# Allegro board TubiiPCB_V6.brd (continued)
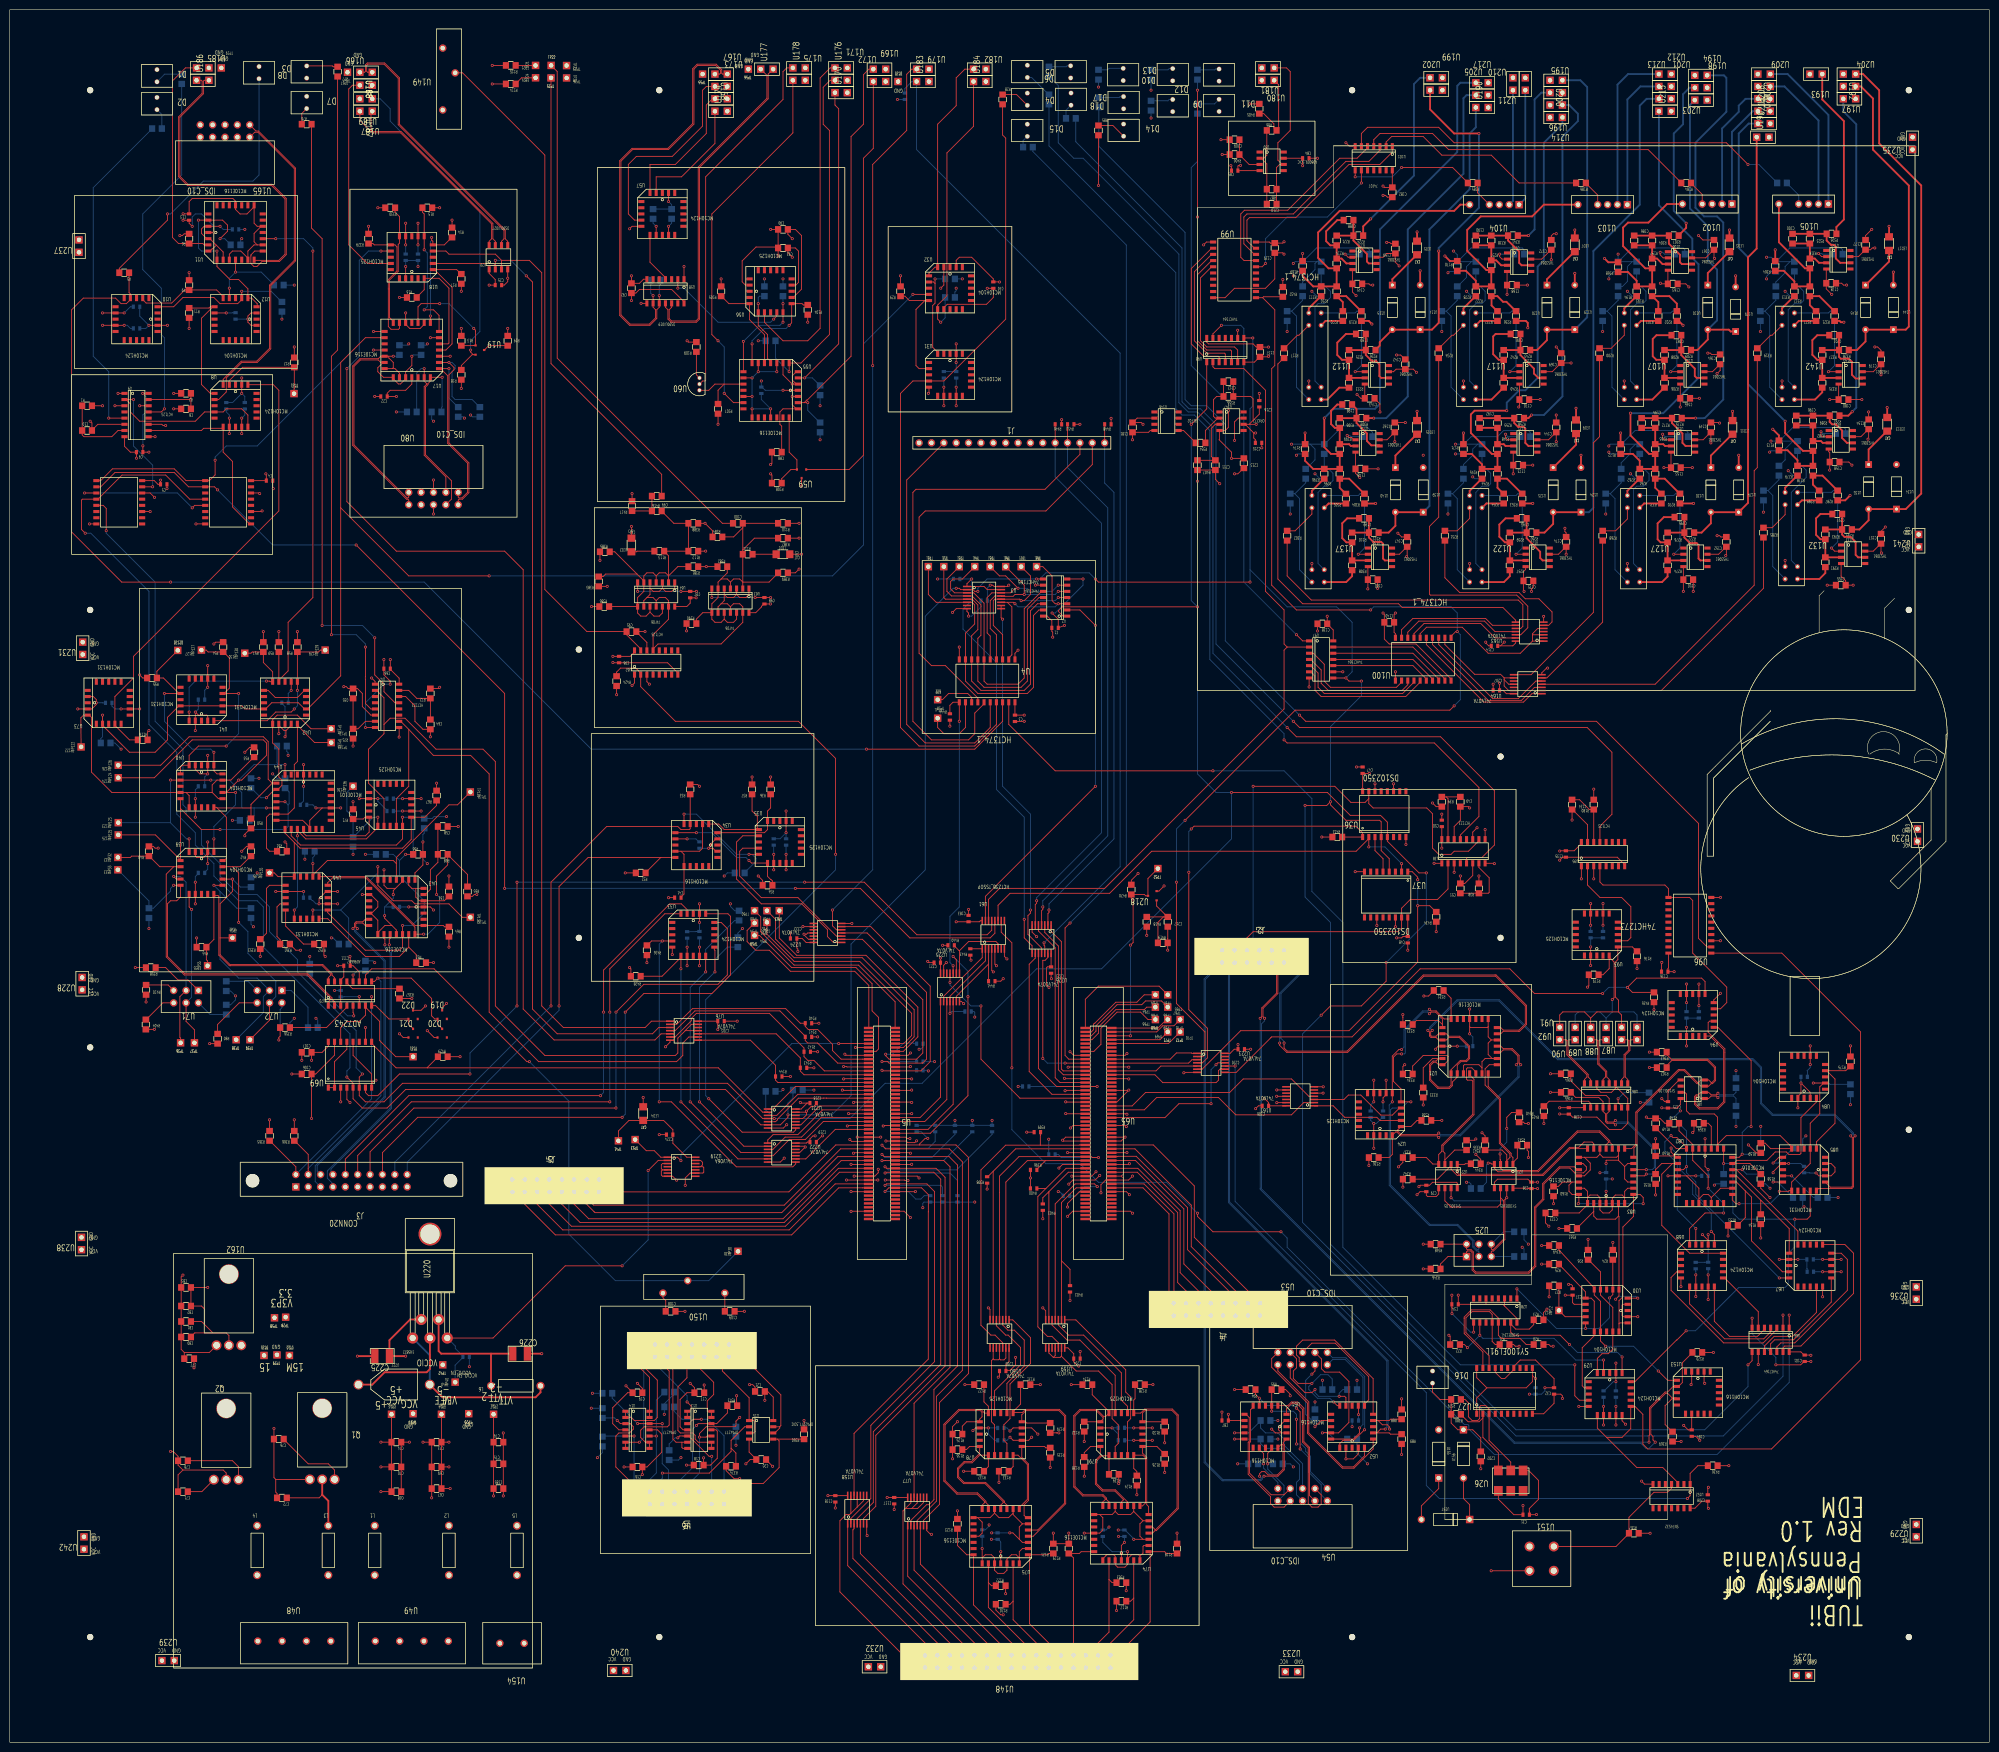
[diagram p0: board, top side]
## Routing (per net, layer and track width the routed paths; a pad name or vN(x,y) marks a point on that pad's centre or on a via; arc(x,y) is an arc through that point) (continued)
  TOP w0.178: U223.1 242.72,141.4 242.64,141.48 239.52,141.48 238.24,140.2 U65.17
CARRIER_SRST#: length 21.1
  TOP w0.178: TP65.1 236.47,152.15 233.17,152.15 232.41,151.38 227.33,151.38 223.01,147.07 223.01,145.96 222.05,145 U65.6
CHANGE_CLK2_N: length 49
  TOP w0.178: v1(293.37,124.14) 293.05,124.46 285.57,124.46 284.77,125.26 284.52,125.26 283.84,124.59 283.84,120.65 283.21,120.02 R336.2 ; U21.15 306.11,142.88 306.62,142.37 308.48,142.37 309.88,140.97 309.88,139.39 v1(310.2,139.06)
  BOTTOM w0.178: v1(293.37,124.14) 293.69,124.46 297.81,124.46 309.88,136.53 309.88,138.74 v1(310.2,139.06)
CHANGE_CLK2_P: length 45.7
  TOP w0.178: R338.2 288.92,127.63 287.65,126.37 285.62,126.37 284.95,125.69 284.95,125.44 285.68,124.71 293.05,124.71 v1(293.37,125.04) ; v1(309.3,139.06) 309.63,139.39 309.63,140.86 308.38,142.11 306.62,142.11 306.11,141.61 U21.14
  BOTTOM w0.178: v1(309.3,139.06) 309.63,138.74 309.63,136.63 297.71,124.71 293.69,124.71 v1(293.37,125.04)
CHOSEN_CLK2_N: length 83.6
  TOP w0.178: R332.2 288.02,147.37 288.81,148.16 293.29,148.16 294.13,147.32 ; v1(291.46,149.54) 291.79,149.86 292.73,149.86 294.13,148.46 294.13,147.32 ; 294.13,147.32 U21.26 ; v1(287.65,131.44) 285.62,131.44 285.62,134.11 284.1,135.64 284.1,140.63 284.75,141.28 v1(285.75,141.28)
  BOTTOM w0.178: v1(285.75,141.28) 286.33,141.28 286.5,141.46 286.5,146.17 290.19,149.86 291.14,149.86 v1(291.46,149.54) ; U25.5 301.62,101.27 301.45,101.09 301.27,101.09 300.61,101.75 300.61,102.98 297.29,106.3 291.57,106.3 283.46,114.41 283.46,129.79 283.84,130.18 285.75,130.18 287.02,131.44 v1(287.65,131.44)
CHOSEN_CLK2_P: length 78
  TOP w0.178: v1(291.46,150.44) 291.79,150.11 292.84,150.11 294.49,148.46 U21.25 295.91,152.71 294.37,154.25 R331.2 ; v1(283.84,131.44) U24.9 283.84,140.84 285.18,142.18 v1(285.75,142.18)
  BOTTOM w0.178: U25.2 301.62,100.66 301.45,100.84 301.16,100.84 300.35,101.65 300.35,102.87 297.18,106.05 291.46,106.05 283.21,114.3 283.21,130.81 v1(283.84,131.44) ; v1(285.75,142.18) 286.25,142.68 286.25,146.28 290.09,150.11 291.14,150.11 v1(291.46,150.44)
CHOSEN_CLK_N: length 37.1
  TOP w0.178: 304.16,102.24 304.16,101.27 304.34,101.09 304.52,101.09 306.7,103.28 306.7,111.12 306.07,111.76 ; 306.07,111.76 U23.6 ; 306.07,111.76 306.07,110.49 305.44,109.86 295.91,109.86 294.64,111.12 U22.6
  BOTTOM w0.178: 304.16,102.24 306.7,104.78 R347.2
CHOSEN_CLK_P: length 34.2
  TOP w0.178: U23.7 v1(307.34,111.76) 306.96,111.38 306.96,103.17 304.63,100.84 304.34,100.84 304.16,100.66 304.16,99.69 ; v1(295.91,111.76) U22.7
  BOTTOM w0.178: v1(307.34,111.76) 306.7,111.12 296.54,111.12 v1(295.91,111.76) ; R345.2 304.16,99.69
CLK100_IN_MZ: length 45.1
  TOP w0.178: U65.43 232.92,129.8 235.46,132.33 248.16,132.33 251.71,128.78 263.14,128.78 265.65,131.28 U161.2
CLK_BAD_N: length 38.3
  TOP w0.178: v1(350.69,133.21) 350.37,132.89 349.3,132.89 348.79,133.4 U81.2 347.19,133.4 346.68,132.89 346.22,132.89 345.9,132.57 345.9,130.93 346.86,129.97 350.7,129.97 352.12,131.39 352.12,141.55 352.12,142.33 348.69,145.76 348.69,147.71 348.98,148 U94.5
  BOTTOM w0.178: v1(350.69,133.21) 351.01,132.89 353.9,132.89 354.41,133.4 R178.1
CLK_BAD_P: length 34.4
  TOP w0.178: U94.3 349.07,144.96 351.87,142.16 351.87,131.49 350.6,130.22 346.96,130.22 346.15,131.04 346.15,132.46 346.33,132.64 346.68,132.64 347.19,132.13 U81.1 348.79,132.13 349.3,132.64 350.37,132.64 v1(350.69,132.31)
  BOTTOM w0.178: v1(350.69,132.31) 351.01,132.64 353.91,132.64 354.41,132.14 R177.1
CLK_MISSED: length 261.8
  TOP w0.178: U96.2 348.47,163.24 346.71,165.01 346.71,188.59 325.75,209.55 266.06,209.55 v1(264.79,210.82)
  BOTTOM w0.178: v1(264.79,210.82) 249.55,226.06 249.55,270.51 245.75,274.32 242.57,274.32 241.3,275.59 241.3,309.88 223.6,327.58 R182.1
CLK_MZ: length 22.8
  TOP w0.178: U221.5 157.09,127.37 157.09,127.37 157.24,127.37 157.61,127.75 157.61,127.9 161.92,132.2 167.1,132.2 167.12,132.22 167.66,132.22 167.68,132.2 U5.38
CLK_SEL_ECL_N: length 31.1
  TOP w0.178: R25.2 318.05,98.09 318.84,97.3 323.52,92.43 U30.9 324.67,91.16 325.3,90.52 U30.14 325.3,83.44 322.83,80.98 322.83,73.15 323.25,72.74 U29.5
CLK_SEL_ECL_P: length 27.4
  TOP w0.178: R26.2 324.08,99.04 326.57,96.56 U30.7 326.57,91.79 329.11,89.25 U30.17 329.11,80.7 328.17,79.76 326.9,79.76 325.94,78.8 U29.3
CLK_STATE: length 23.9
  TOP w0.178: 373.01,137.84 374.73,136.13 374.73,127.05 370.92,123.24 U85.4 ; 373.01,137.84 376.95,137.84 377.85,138.75 R175.2 ; 373.01,137.84 U84.7
CLOCKS_DATA_RDY_MZ: length 26.2
  TOP w0.178: U223.9 248.46,138.15 248.16,137.85 248.16,135.89 247.65,135.38 236.73,135.38 235.11,137 U65.25
CNTRL_RAW<0>: length 37.2
  TOP w0.178: TP8.1 212.09,241.3 214,239.39 214,234.31 214.63,233.68 v1(215.27,233.68) U2.3 ; 204.81,233.97 205.74,233.05 205.74,223.2 205.1,222.57 U4.2 ; 204.81,233.97 206.08,233.97 v1(206.38,233.68) ; 204.81,233.97 U3.11
  BOTTOM w0.178: v1(215.27,233.68) 214.63,233.05 207.01,233.05 v1(206.38,233.68)
CNTRL_RAW<1>: length 37.5
  TOP w0.178: U4.3 203.84,227.33 201.93,229.24 201.93,234.31 202.24,234.62 U3.12 207.34,234.62 v1(207.65,234.31) 208.28,234.31 209.55,235.58 209.55,239.39 TP7.1 ; v1(215.27,234.95) U2.4
  BOTTOM w0.178: v1(207.65,234.31) 214.63,234.31 v1(215.27,234.95)
CNTRL_RAW<2>: length 36.5
  TOP w0.178: TP6.1 208.28,237.49 v1(208.28,235.58) 206.38,235.58 206,235.21 203.59,235.21 U3.13 202.26,235.28 201.3,234.31 201.3,228.6 202.56,227.33 U4.4 ; U2.5 v1(215.27,236.22)
  BOTTOM w0.178: v1(208.28,235.58) 214.63,235.58 v1(215.27,236.22)
CNTRL_RAW<3>: length 38.5
  TOP w0.178: 201.3,222.25 201.3,227.05 200.66,227.69 200.66,234.95 201.64,235.93 U3.14 205.45,235.93 206.38,236.86 v1(207.01,236.86) 204.47,239.39 203.2,239.39 TP5.1 ; v1(215.27,237.49) U2.6
  BOTTOM w0.178: v1(215.27,237.49) 214,236.22 209.55,236.22 208.91,236.86 v1(207.01,236.86)
CNTRL_RAW<4>: length 60.4
  TOP w0.178: U2.10 211.84,236.22 208.28,232.66 208.28,218.44 207.01,217.17 200.66,217.17 200.03,217.81 U4.6 200.03,233.81 197.91,235.93 U3.3 193.97,235.93 193.17,236.73 193.17,238.25 193.68,238.76 195.58,238.76 TP4.1
CNTRL_RAW<5>: length 60.4
  TOP w0.178: TP3.1 192.41,238.76 192.41,236.22 193.35,235.28 U3.4 197.56,235.28 199.39,233.45 199.39,227.22 198.75,226.59 U4.7 198.75,217.81 200.03,216.54 207.65,216.54 208.91,217.81 208.91,232.56 211.3,234.95 U2.11
CNTRL_RAW<6>: length 61.8
  TOP w0.178: U2.12 211,233.68 209.55,232.23 209.55,217.17 208.28,215.9 199.39,215.9 197.49,217.81 U4.8 197.49,227.12 198.75,228.39 198.75,233.43 197.56,234.62 U3.5 192.1,234.62 191.77,234.95 TP2.1
CNTRL_RAW<7>: length 65.3
  TOP w0.178: TP1.1 188.59,235.58 190.21,233.97 U3.6 197.56,233.97 198.1,233.44 198.1,229.53 196.22,227.64 U4.9 196.22,217.81 198.75,215.26 208.91,215.26 210.19,216.54 210.19,231.29 211.3,232.41 U2.13
CNTRL_RDY_MZ: length 46.2
  TOP w0.178: v1(199.39,151.13) 199.39,140.21 207.4,132.2 U65.38 ; U225.11 v1(193.03,155.96)
  BOTTOM w0.178: v1(193.03,155.96) 193.03,155.44 197.34,151.13 v1(199.39,151.13)
CNTRL_REG_CHK_MZ: length 51.3
  TOP w0.178: v1(223.25,134.6) U65.32 214.9,134.6 211.19,138.31 U226.10
  BOTTOM w0.178: R445.2 v1(223.25,134.6)
COMP1_THRESH: length 27.3
  TOP w0.178: TP31.1 79.25,140.72 75.95,144.02 75.95,147.96 73.03,150.88 ; 73.03,150.88 73.03,149.23 71.75,147.96 69.22,147.96 67.95,146.69 U69.14 ; 73.03,150.88 U70.7
COMP2_THRESH: length 123.4
  TOP w0.178: v1(106.68,139.7) 106.16,139.7 87.11,158.75 74.3,158.75 73.03,157.48 U70.10
  BOTTOM w0.178: v1(106.68,139.7) 114.78,131.6 114.78,104.29 124.33,94.74 U150.2 143.49,94.74 TP30.1
COUNT: length 42.3
  TOP w0.178: U81.7 343.89,133.4 344.25,133.05 344.25,129.59 344.88,128.95 349.96,128.95 350.6,128.32 350.6,122.69 ; 350.6,122.69 352.41,124.51 363.49,124.51 365.84,122.16 U85.8 361.52,121.84 360.39,122.97 R159.1 ; 350.6,122.69 U82.27
COUNT_DATA_ECL<0>: length 33.8
  TOP w0.178: R148.1 342.71,125.5 345.52,122.69 U82.3 345.52,119.43 348.69,116.25 v1(348.69,113.71) ; U68.3 344.88,105.46 348.06,108.63 v1(351.87,108.63)
  BOTTOM w0.178: v1(351.87,108.63) 351.87,110.54 v1(348.69,113.71)
COUNT_DATA_ECL<1>: length 38.1
  TOP w0.178: U68.2 v1(346.15,105.46) ; v1(341.07,124.51) 341.44,124.14 342.27,124.14 344.25,122.16 U82.4 342.15,121.84 337.95,126.05 R149.1
  BOTTOM w0.178: v1(346.15,105.46) 342.34,109.27 342.34,118.79 339.8,121.33 339.8,123.24 v1(341.07,124.51)
COUNT_DATA_ECL<2>: length 30.1
  TOP w0.178: U68.19 349.96,104.19 v1(349.33,104.82) ; 341.88,120.33 342.15,120.06 U82.5 ; 341.88,120.33 341.07,121.14 v1(341.07,121.97) ; 341.88,120.33 R150.1
  BOTTOM w0.178: v1(349.33,104.82) 349.33,108.63 345.52,112.44 345.52,114.98 342.9,117.6 342.9,120.14 v1(341.07,121.97)
COUNT_DATA_ECL<3>: length 34.6
  TOP w0.178: U82.6 341.36,118.79 ; 341.36,118.79 339.17,116.6 339.17,106.09 344.88,100.38 U68.18 ; 341.36,118.79 339.17,118.79 337.9,117.52 R151.1
COUNT_DATA_ECL<4>: length 44.4
  TOP w0.178: U82.7 343.61,117.52 v1(344.25,118.16) ; v1(363.3,95.3) U67.3
  BOTTOM w0.178: v1(363.3,95.3) 346.15,112.44 346.15,114.98 344.25,116.89 v1(344.25,118.16) 344.25,125.46 342.71,127 R152.1
COUNT_DATA_ECL<5>: length 32.3
  TOP w0.178: U82.21 354.5,114.98 356.31,113.17 ; 356.31,113.17 357.58,111.9 357.58,102.92 363.93,96.57 U67.2 ; 356.31,113.17 356.31,107.68 354.77,106.14 R153.1
COUNT_DATA_ECL<6>: length 24.1
  TOP w0.178: U67.19 365.33,105.42 359.53,111.22 ; 359.53,111.22 354.5,116.25 U82.22 ; 359.53,111.22 359.49,111.17 R154.1
COUNT_DATA_ECL<7>: length 26.8
  TOP w0.178: U67.18 367.11,104.91 354.5,117.52 ; 354.5,117.52 U82.23 ; 354.5,117.52 v1(355.68,117.52)
  BOTTOM w0.178: v1(355.68,117.52) 356.58,116.62 R155.1
DATA_MZ: length 22.5
  TOP w0.178: U221.3 157.47,128.67 161.8,133 U5.36
DDGT_BITS: length 28.7
  TOP w0.178: U1.3 v1(15.37,256.41) ; v1(37.47,253.37) 37.97,253.87 U7.5
  BOTTOM w0.178: v1(37.47,253.37) 34.42,256.41 v1(15.37,256.41)
DDGT_TTL: length 38
  TOP w0.178: U7.9 49.21,250.06 45.72,253.56 45.72,262.89 43.81,264.8 43.81,269.68 ; 43.81,269.68 39.81,269.68 39.37,269.24 U9.10 ; 43.81,269.68 U8.9
DEF_CLK_DIV2_N: length 10.9
  TOP w0.178: U88.1 332.19,144.19 332.37,144.02 332.37,142.08 331.42,141.12 331.42,136.55 330.91,136.04 U86.2
DEF_CLK_DIV2_P: length 10.9
  TOP w0.178: U86.1 332.18,136.04 331.67,136.55 331.67,141.02 332.63,141.97 332.63,144.02 332.8,144.19 U87.1
DEF_CLK_DIV4_N: length 11.2
  TOP w0.178: U90.1 325.84,144.19 326.02,144.02 326.02,139.2 327.61,137.61 327.61,136.55 327.1,136.04 U86.5
DEF_CLK_DIV4_P: length 11.2
  TOP w0.178: U86.4 328.37,136.04 327.86,136.55 327.86,137.72 326.28,139.3 326.28,144.02 326.45,144.19 U89.1
DEF_CLK_DIV8_N: length 12.2
  TOP w0.178: U92.1 319.49,144.19 319.67,144.02 319.67,141.1 323.8,136.97 323.8,136.55 323.29,136.04 U86.8
DEF_CLK_DIV8_P: length 12.2
  TOP w0.178: U91.1 320.1,144.19 319.93,144.02 319.93,141.21 324.05,137.08 324.05,136.55 324.56,136.04 U86.7
DEF_CLK_DIVD_N: length 39.4
  TOP w0.178: 330.28,149.91 330.91,149.27 U88.2 ; 330.28,149.91 325.83,149.91 324.56,148.64 ; 330.28,149.91 330.28,152.33 329.64,152.96 329.64,160.13 330.15,160.64 U93.4 333.13,163.24 334.04,162.34 R176.2 ; 324.56,148.64 323.29,149.91 318.85,149.91 318.21,149.27 U92.2 ; 324.56,148.64 U90.2
DEF_CLK_DIVD_P: length 38.4
  TOP w0.178: v1(329.01,152.45) 329.38,152.82 329.38,160.14 328.37,161.15 ; 328.37,161.15 328.37,158.8 327.1,157.53 R179.2 ; 328.37,161.15 U93.3
  BOTTOM w0.178: U91.2 321.39,149.27 322.02,149.91 326.47,149.91 327.74,148.64 ; 329.01,149.91 327.74,148.64 ; 329.01,149.91 v1(329.01,152.45) ; 329.01,149.91 333.45,149.91 334.09,149.27 U87.2 ; 327.74,148.64 U89.2
DGT_GATE: length 64.8
  TOP w0.178: 36.19,194.94 U40.7 20.95,194.94 16.79,199.11 16.79,210.35 16.32,210.82 U73.3 15.15,210.82 14.61,210.28 14.61,208.69 TP122.1 ; 36.19,194.94 41.56,194.94 ; 36.19,194.94 36.83,194.31 U40.9 ; 41.56,194.94 42.83,193.68 U40.14 ; 41.56,194.94 41.56,196.5 42.55,197.49 U40.17 45.4,197.49 50.11,202.2 R53.2
DGT_TTL: length 55.4
  TOP w0.178: 23.88,275.59 24.76,274.7 24.76,273.05 26.67,271.14 38.1,271.14 40,273.05 U8.7 43.81,273.05 44.45,273.69 47.62,273.69 48.89,272.42 U8.13 ; 23.88,275.59 v1(25.4,275.59) ; 23.88,275.59 U9.2 ; U1.15 v1(29.34,257.68)
  BOTTOM w0.178: v1(25.4,275.59) 25.4,266.06 29.34,262.13 v1(29.34,257.68)
DIVD_CLK_TTL: length 23.9
  TOP w0.178: U95.2 323.93,175.94 326.47,173.4 330.91,173.4 332.82,171.5 332.82,165.15 332.18,164.51 U93.5
ECAL_ACTIVE_ECL_N: length 23.2
  TOP w0.178: 187.87,295.91 184.69,295.91 183.78,296.81 R29.2 ; 187.87,295.91 186.06,294.09 186.06,282.57 186.69,281.94 U31.5 ; 187.87,295.91 U32.8
ECAL_ACTIVE_ECL_P: length 19.4
  TOP w0.178: v1(189.96,300.36) 189.96,299.42 ; 189.96,299.42 189.66,299.72 U32.5 ; 189.96,299.42 189.96,295.37 189.48,294.89 189.48,286.32 190.5,285.31 U31.3
  BOTTOM w0.178: v1(189.96,300.36) R30.2
EN_CLK_DIV_ECL: length 36.7
  TOP w0.178: 308.16,85.82 309.17,84.81 311.97,84.81 312.87,85.71 R23.2 ; 308.16,85.82 308.16,84.17 308.79,83.54 318.32,83.54 v1(320.22,81.63) ; 308.16,85.82 U28.15 ; v1(331.02,79.09) U29.19
  BOTTOM w0.178: v1(331.02,79.09) 330.1,80.01 321.84,80.01 v1(320.22,81.63)
FOX_100MHZ_P: length 38.6
  TOP w0.178: U30.13 v1(323.52,84.93) ; v1(328.42,91.19) 329.11,91.88 U30.5 R24.2 ; U28.1 v1(309.43,93.06)
  BOTTOM w0.178: v1(328.42,91.19) 328.42,87.12 326.23,84.93 v1(323.52,84.93) 317.56,84.93 v1(309.43,93.06)
FOX_CLK_LVPECL_N: length 26.7
  TOP w0.178: U26.5 308.16,57.5 303.71,61.95 U27.3 303.71,68.4 303.02,69.09 302.01,69.09 301.78,68.86 301.78,66.45 301.37,66.04 300.23,66.04 299.47,66.8 299.47,69.67 298.78,70.36 R379.2
FOX_CLK_LVPECL_P: length 18.4
  TOP w0.178: R380.2 297.93,67.26 299.4,65.79 301.66,65.79 302.44,66.57 ; U26.4 305.62,59.41 302.44,62.58 302.44,66.57 ; 302.44,66.57 U27.2
FPGA_DONE: length 17.9
  TOP w0.178: TP66.1 233.43,150.88 232.92,150.37 227.08,150.37 223.52,146.81 223.52,145.54 222.18,144.2 U65.8
FUZZD_CLK_N: length 52
  TOP w0.178: U95.4 326.47,176.58 327.1,175.94 339.8,175.94 340.54,175.21 U96.11 344.88,173.4 345.52,172.77 345.52,161.97 352.5,154.99 352.5,151.82 351.23,150.54 U94.7
FUZZD_CLK_P: length 231.1
  TOP w0.178: U95.13 326.47,188.01 328.93,190.47 328.93,203.2 323.85,208.28 264.79,208.28 v1(263.52,209.55)
  BOTTOM w0.178: v1(263.52,209.55) 247.65,225.43 247.65,270.51 244.47,273.69 242.11,273.69 240.66,275.13 240.66,306.7 218.85,328.52 R181.1
GENERIC_DELAY_IN_MZ: length 56.6
  TOP w0.178: U224.6 176.76,167.41 188.98,155.19 188.98,139.7 187.08,137.8 U5.23 179.19,137.8 v1(179.07,137.92)
  BOTTOM w0.178: v1(179.07,137.92) R437.2
GENERIC_DELAY_OUT_MZ: length 18
  TOP w0.178: U223.5 236.34,138.8 235.34,137.8 U65.23
GENERIC_PULSE_MZ: length 17.8
  TOP w0.178: U65.19 242.02,139.4 242.72,140.1 U223.3
GT_2: length 23.7
  TOP w0.178: v1(95.25,290.19) 95.62,289.82 95.62,289.57 95.63,289.56 U19.1 95.16,286.7 95.11,286.65 R13.1 ; U17.14 83.82,294.64 84.45,295.27 v1(88.27,295.27)
  BOTTOM w0.178: v1(88.27,295.27) 90.17,295.27 v1(95.25,290.19)
GT_MZ: length 49
  TOP w0.178: U5.24 167.25,137.8 165.1,139.95 163.83,139.95 163.07,140.72 R142.1 163.07,142.49 155.96,149.61 140.97,149.61 139.94,148.58 139.94,148.09 136.6,144.75 U76.6
I2C_SCL: length 43.8
  TOP w0.178: TP60.1 154.18,169.42 154.18,166.37 161.04,159.51 174.24,159.51 181.77,151.99 U5.1
I2C_SDA: length 41.9
  TOP w0.178: U5.2 176.37,155.35 173.48,158.24 160.27,158.24 155.96,162.56 153.16,162.56 151.38,164.34 151.38,166.62 TP54.1
INIT#: length 47.5
  TOP w0.178: U5.9 183.53,143.4 185.17,145.03 185.17,149.61 174.5,160.27 161.04,160.27 155.45,165.86 TP61.1
JTAG_TCK: length 12.2
  TOP w0.178: U65.1 235.75,146.6 237.49,148.34 TP69.1
JTAG_TDI: length 18.2
  TOP w0.178: TP64.1 232.92,153.42 231.39,151.89 227.08,151.89 222.76,147.57 222.68,147.57 222.5,147.4 222.5,146.25 222.05,145.8 U65.4
JTAG_TDO: length 15.1
  TOP w0.178: TP70.1 239.01,147.07 236.73,147.07 235.46,145.8 U65.3
JTAG_TMS: length 24.7
  TOP w0.178: U65.2 220.82,152.49 223.52,155.19 235.97,155.19 TP67.1
JX1_SE_0: length 15.1
  TOP w0.178: TP72.1 237.89,143.4 U65.9
JX2_SE_0: length 51.9
  TOP w0.178: U5.13 183.46,141.8 186.44,144.78 186.44,150.88 175.78,161.53 161.53,161.53 157.99,165.07 TP63.1
JX2_SE_1: length 44.4
  TOP w0.178: TP59.1 153.92,165.61 160.53,159 173.74,159 177.04,155.7 177.04,150.12 178.38,148.78 178.38,142.31 177.87,141.8 U5.14
LE0_MZ: length 30.7
  TOP w0.178: U225.1 191.08,132.41 186.87,128.2 U5.47
LE1_MZ: length 32.6
  TOP w0.178: U225.3 192.38,131.93 187.85,127.4 U5.49
LE2_MZ: length 35.2
  TOP w0.178: U225.5 193.69,130.95 188.54,125.8 U5.53
LE_CAEN: length 167
  TOP w0.178: 262.25,224.79 261.62,225.43 261.62,232.41 257.81,236.22 257.81,277.5 253.36,281.94 247.4,281.94 247.02,282.32 247.02,283.27 ; 262.25,224.79 261.62,224.16 261.62,212.09 224.79,175.26 203.2,175.26 200.95,173.01 U61.14 ; 262.25,224.79 U97.2
LE_CLKS: length 255.5
  TOP w0.178: v1(205.74,138.43) 205.74,164.08 203.56,166.27 U61.10 ; v1(260.98,104.78) 247.02,104.78 243.84,107.95 v1(243.84,108.59) ; U66.1 v1(365.33,87.68)
  BOTTOM w0.178: v1(243.84,108.59) 237.49,114.94 223.52,114.94 219.71,118.75 212.72,118.75 205.74,125.73 v1(205.74,138.43) ; v1(260.98,104.78) 262.25,103.5 262.25,101.6 298.62,65.24 299.35,65.24 299.55,65.04 299.55,64.3 304.8,59.05 350.52,59.05 365.33,73.86 v1(365.33,87.68)
LE_CNTRL_REG: length 77.1
  TOP w0.178: v1(222.88,229.24) 219.71,232.41 U2.2 ; v1(222.88,196.22) 200.3,173.63 U61.15
  BOTTOM w0.178: v1(222.88,196.22) v1(222.88,229.24)
LE_GEN_UTILS: length 96.8
  TOP w0.178: U36.2 279.02,185.48 ; 279.02,185.48 276.42,182.88 234.44,182.88 225.81,174.24 205.36,174.24 202.91,171.79 U61.11 ; 279.02,185.48 v1(279.02,183.77) ; v1(285.75,180.34) 285.75,178.69
  BOTTOM w0.178: v1(279.02,183.77) 282.32,183.77 v1(285.75,180.34)
LE_GT_DELAYS: length 251.6
  TOP w0.178: v1(42.67,257.05) 42.04,257.68 U7.2 36.7,257.68 33.78,260.6 21.59,260.6 18.67,257.68 U1.2 ; v1(101.6,175.26) 101.6,215.26 v1(71.12,245.75) ; v1(161.29,175.26) 174.62,175.26 184.78,165.1 201.3,165.1 202.26,166.06 U61.12
  BOTTOM w0.178: v1(101.6,175.26) v1(161.29,175.26) ; v1(71.12,245.75) 53.98,245.75 v1(42.67,257.05)
LE_MTCA_MIMIC: length 172.2
  TOP w0.178: U69.7 73.03,133.35 73.66,132.72 75.56,132.72 80.01,137.16 v1(94.49,137.16) ; U61.13 201.6,166.68 200.66,165.74 186.23,165.74 175.44,176.53 v1(163.19,176.53) ; v1(104.14,151.13) v1(104.14,176.53)
  BOTTOM w0.178: v1(163.19,176.53) v1(104.14,176.53) ; v1(94.49,137.16) 94.49,141.48 v1(104.14,151.13)
LO_SEL_ECL_N: length 19.1
  TOP w0.178: U10.5 27.31,296.1 28,295.4 33.24,295.4 35.93,298.08 R9.2 42.47,298.08 43.81,296.74 U12.8
LO_SEL_ECL_P: length 29.8
  TOP w0.178: U10.3 33.66,294.64 35.56,296.55 41.91,296.55 43.18,295.27 46.8,295.27 47.62,296.1 v1(47.62,297.81)
  BOTTOM w0.178: R10.2 55.83,295.64 53.65,297.81 v1(47.62,297.81)
LO_STAR_RAW: length 38.7
  TOP w0.178: U12.3 50.8,294.77 50.8,295.27 49.66,296.42 U12.4 48.89,298.33 46.99,300.23 45.21,300.23 42.55,302.9 U11.5 v1(42.55,306.07) ; v1(43.18,308.61) 44.7,310.13 44.7,311.41 43.69,312.42 U11.27 v1(38.73,312.42)
  BOTTOM w0.178: v1(43.18,308.61) 44.14,308.61 45.35,307.39 R7.2 ; v1(38.73,312.42) 38.73,306.7 39.37,306.07 v1(42.55,306.07)
LOAD_COUNT*: length 37.1
  TOP w0.178: U94.4 350.69,146.73 357.5,139.92 v1(357.5,126.37) ; v1(355.68,120.7) 355.04,120.06 U82.25
  BOTTOM w0.178: v1(357.5,126.37) 356.87,126.37 355.68,125.17 v1(355.68,120.7) 356.95,120.7 357.22,120.97 R156.1
MTCA_MIMIC_DATA_RDY_MZ: length 22.7
  TOP w0.178: U221.1 156.67,129.97 161.3,134.6 U5.32
MTCA_MIMIC_TRIG1_MZ: length 40.5
  TOP w0.178: U76.8 152.06,144.1 157.23,138.94 R144.1 157.23,135.89 157.71,135.4 U5.30
MTCA_MIMIC_TRIG2_MZ: length 40.1
  TOP w0.178: U76.10 157.36,145.4 162.31,140.46 R143.1 162.31,137.77 163.07,137 U5.26
MUX_ENABLE_MZ: length 51.7
  TOP w0.178: v1(193.68,161.29) 194.34,160.63 U225.9 ; U5.55 189.01,125 196.72,132.72 v1(196.72,153.03)
  BOTTOM w0.178: v1(196.72,153.03) 196.72,158.24 v1(193.68,161.29)
MZ_HAPPY: length 204.1
  TOP w0.178: v1(217.68,168.15) 216.66,167.13 216.66,140.97 217.43,140.2 U65.18
  BOTTOM w0.178: v1(217.68,168.15) 229.24,179.71 229.24,307.31 210.04,326.5 R367.2
NEG_TRIG1: length 62.8
  TOP w0.178: 35.05,181.09 35.05,191.64 ; 35.05,181.09 U39.4 ; 35.05,181.09 29.91,186.23 TP125.1 ; 35.05,191.64 39.37,187.33 v1(43.18,187.33) ; 35.05,191.64 U40.8 ; v1(56.52,193.04) U44.8
  BOTTOM w0.178: v1(56.52,193.04) 57.15,192.41 ; 57.15,192.41 57.36,192.61 57.36,195.06 56.57,195.85 R51.2 ; 57.15,192.41 57.15,187.96 56.52,187.33 v1(43.18,187.33)
NEG_TRIG2: length 81.4
  TOP w0.178: v1(56.52,200.66) U44.4 ; U39.19 v1(41.91,185.42) ; 44.45,194.94 v1(46.36,194.94) ; 44.45,194.94 U40.15 ; 44.45,194.94 v1(46.99,197.49) 47.62,197.49 52.7,202.56 52.7,205.11 52.07,205.74 37.47,205.74 29.69,197.97 TP124.1
  BOTTOM w0.178: 55.25,200.66 50.17,200.66 v1(46.99,197.49) ; 55.25,200.66 54.88,201.03 R49.2 ; 55.25,200.66 v1(56.52,200.66) ; v1(41.91,185.42) 41.91,187.96 46.36,192.41 v1(46.36,194.94)
POS_TRIG1: length 56.1
  TOP w0.178: v1(33.02,197.49) U40.5 v1(41.28,197.49) ; U39.3 v1(36.83,185.42) ; v1(52.7,191.77) U44.9
  BOTTOM w0.178: 50.17,191.77 v1(52.7,191.77) ; 50.17,191.77 50.17,190.19 49.26,189.28 R52.2 ; 50.17,191.77 47.8,191.77 47.62,191.95 47.62,194.94 45.08,197.49 v1(41.28,197.49) ; 33.02,188.75 TP123.1 ; 33.02,188.75 33.02,188.71 36.31,185.42 v1(36.83,185.42) ; 33.02,188.75 v1(33.02,197.49)
POS_TRIG2: length 72.2
  TOP w0.178: 53.88,196.85 53.06,197.67 53.06,205.38 52.07,206.38 36.83,206.38 30.99,200.53 TP126.1 ; 53.88,196.85 49.53,192.5 49.53,191.77 ; 53.88,196.85 U44.5 ; R50.2 49.53,191.77 ; 49.53,191.77 42.57,191.77 ; U40.13 42.45,191.9 42.57,191.77 ; U39.18 44.01,180.97 44.48,181.45 44.48,189.87 42.57,191.77
PREP_RETRIG1: length 35.3
  TOP w0.178: TP129.1 63.78,224.17 63.4,223.79 R58.2 U42.9 v1(59.06,215.9) ; v1(58.42,212.09) 57.78,211.45 54.61,211.45 52.83,209.68 U41.3
  BOTTOM w0.178: v1(59.06,215.9) 59.06,212.73 v1(58.42,212.09)
PREP_RETRIG2: length 35.4
  TOP w0.178: v1(52.7,217.81) 53.31,217.81 53.44,217.68 53.98,217.68 53.98,219.71 52.07,221.62 R57.2 49.79,223.79 49.53,223.53 TP130.1 ; U41.19 v1(36.83,211.45)
  BOTTOM w0.178: v1(52.7,217.81) 38.1,217.81 36.83,216.54 v1(36.83,211.45)
PWR_EN: length 43.2
  TOP w0.178: v1(230.09,163.61) 230.63,164.15 230.63,172.78 230.26,173.15 R420.2 232.94,174.01 233.21,173.74 U218.3 233.68,177.29 TP52.1 ; U65.5 v1(230.09,145)
  BOTTOM w0.178: v1(230.09,145) v1(230.09,163.61)
PWR_GOOD: length 51.4
  TOP w0.178: TP62.1 157.23,168.91 157.23,164.85 161.04,161.04 175.01,161.04 185.67,150.37 185.67,144.78 183.49,142.6 U5.11
READ_CNTRL_REG_BIT_MZ: length 38.3
  TOP w0.178: U65.36 213.96,133 209.3,137.67 209.3,159.69 210.54,160.93 U226.9
RESET_CLK_DIV_ECL: length 38.2
  TOP w0.178: R22.2 298.63,81.63 v1(299.27,81) ; v1(301.81,83.54) U28.10 ; U29.2 v1(327.21,78.46)
  BOTTOM w0.178: v1(299.27,81) v1(301.81,83.54) 302.44,82.9 317.05,82.9 321.49,78.46 v1(327.21,78.46)
RESET_CLK_MZ: length 32
  TOP w0.178: U223.11 248.04,139.45 v1(247.65,139.06) ; U65.47 237.16,128.2 240.03,131.06 v1(246.63,131.06)
  BOTTOM w0.178: v1(247.65,139.06) 246.63,138.05 v1(246.63,131.06)
RESTART_COUNT: length 34.5
  TOP w0.178: 353.96,118.79 354.6,119.43 360.76,119.43 362.05,120.72 362.05,120.75 362.46,121.16 364.75,121.16 365.25,120.65 367.52,120.65 367.74,120.88 367.74,128.23 370.92,131.4 U84.3 ; 353.96,118.79 U82.24 ; 353.96,118.79 357.26,118.79 359.44,116.62 R158.2
RETRIG_GATE1: length 41.2
  TOP w0.178: 59.06,208.72 U42.3 ; 59.06,208.72 62.6,205.18 TP133.1 ; 59.06,208.72 59.06,201.3 58.42,200.66 58.42,191.77 57.15,190.5 U44.10 53.34,190.5 52.7,189.87 52.7,183.52 53.34,182.88 R61.2
RETRIG_GATE2: length 36.1
  TOP w0.178: v1(52.7,193.87) 54.42,195.58 U44.6 55.05,195.58 55.88,196.41 55.88,197.49 55.25,198.12 55.25,203.83 53.98,205.11 53.98,209.9 54.9,210.82 59.06,210.82 61.85,208.03 TP134.1
  BOTTOM w0.178: R60.2 49.58,195.85 51.56,193.87 v1(52.7,193.87)
RIB1_N: length 33.5
  TOP w0.178: U52.3 278.13,58.78 275.86,56.51 273.69,56.51 266.7,63.5 266.7,69.85 260.35,76.2 U53.1
RIB1_P: length 40.3
  TOP w0.178: U52.4 279.91,60.2 275.97,56.26 273.58,56.26 266.44,63.4 266.45,63.61 266.45,69.6 259.08,76.96 259.08,78.74 U53.2
RIB2_N: length 28.3
  TOP w0.178: v1(259.08,67.94) U51.5 R95.2 ; v1(264.16,61.21) v1(264.16,66.29)
  BOTTOM w0.178: v1(264.16,66.29) 264.16,67.31 263.52,67.94 v1(259.08,67.94) ; v1(264.16,61.21) 265.18,61.21 266.06,60.32 266.06,59.69 267.06,58.69 267.06,55.52 U54.1
RIB2_P: length 33.8
  TOP w0.178: R94.2 255.75,71.4 v1(256.54,70.61) U51.7 ; v1(264.92,60.2) 264.92,67.82 v1(264.16,68.58)
  BOTTOM w0.178: v1(256.54,70.61) 258.02,69.14 263.6,69.14 v1(264.16,68.58) ; U54.2 269.24,50.8 269.24,52.86 266.7,55.4 266.7,58.42 v1(264.92,60.2)
RIB3_N: length 32.2
  TOP w0.178: U54.3 269.24,50.8 269.24,48.9 268.6,48.26 267.34,48.26 266.59,49.01 266.59,60.44 265.43,61.59 265.43,68.33 264.16,69.6 263.27,69.6 262.13,68.45 U51.3
RIB3_P: length 26.2
  TOP w0.178: U51.4 262.38,69.09 263.14,69.85 264.41,69.85 265.68,68.58 265.68,61.7 266.84,60.55 266.84,50.66 U54.4
RIB4_N: length 20.9
  TOP w0.178: v1(272.94,71.01) 274.06,71.01 274.32,70.74 U52.12 ; U53.3 262.89,74.78 265.92,71.75 267.33,71.75 v1(267.97,72.39)
  BOTTOM w0.178: v1(267.97,72.39) 267.97,71.75 268.34,71.38 268.34,71.37 268.7,71.01 v1(272.94,71.01) 272.94,71.64 273.69,72.39 R91.2
